# Allegro board SG2042_EVB_V1_1.brd (continued)
## Routing (per net, layer and track width the routed paths; a pad name or vN(x,y) marks a point on that pad's centre or on a via; arc(x,y) is an arc through that point) (continued)
DDR3_MA8: length 58
  TOP w0.114: U1.L2 110.97,123.15 109.81,123.15 108.64,121.97 104.75,121.97 95.11,112.33 94.12,112.33
  TOP w0.16: 94.12,112.33 93.35,112.33 93.19,112.49 93.19,113.21 93.03,113.37 92.63,113.37 92.47,113.21 92.47,111.21 92.31,111.05 91.91,111.05 91.75,111.21 91.75,113.21 91.59,113.37 91.19,113.37 91.03,113.21 91.03,111.21 90.87,111.05 90.47,111.05 90.31,111.21 90.31,113.21 90.15,113.37 89.75,113.37 89.59,113.21 89.59,111.21 89.43,111.05 89.03,111.05 88.87,111.21 88.87,113.21 88.71,113.37 88.31,113.37 88.15,113.21 88.15,112.71 87.99,112.55 87.59,112.55 87.43,112.71 87.43,113.21 87.27,113.37 86.87,113.37 86.71,113.21 86.71,112.71 86.55,112.55 86.15,112.55 85.99,112.71 85.99,113.21 85.83,113.37 85.43,113.37 85.27,113.21 85.27,112.71 85.11,112.55 84.71,112.55 84.55,112.71 84.55,113.21 84.39,113.37 83.99,113.37 83.83,113.21 83.83,112.71 83.67,112.55 83.27,112.55 83.11,112.71 83.11,113.21 82.95,113.37 80.94,113.37 arc(80.63,113.31) 80.37,113.14 79.99,112.76 arc(79.73,112.58) 79.43,112.52 J4.68
DDR3_MA9: length 50.9
  TOP w0.16: U1.K3 v1(111.97,124.15)
  ART05 w0.168: v1(111.97,124.15) 100.63,124.15 93.28,116.79 89.58,116.79 89.42,116.62 89.42,114.95 89.25,114.78 88.83,114.78 88.66,114.95 88.66,116.62 88.49,116.79 88.08,116.79 87.91,116.62 87.91,115.79 87.74,115.62 87.32,115.62 87.15,115.79 87.15,116.62 86.99,116.79 86.57,116.79 86.4,116.62 86.4,115.79 86.23,115.62 85.81,115.62 85.64,115.79 85.64,116.62 85.48,116.79 85.06,116.79 84.89,116.62 84.89,115.79 84.72,115.62 84.3,115.62 84.14,115.79 84.14,116.62 83.97,116.79 83.55,116.79 83.38,116.62 83.38,115.79 83.21,115.62 82.79,115.62 82.63,115.79 82.63,116.62 82.46,116.79 80.97,116.79 arc(80.65,116.73) 80.38,116.54 80,116.17 arc(79.73,115.99) 79.41,115.92 79.23,115.92 arc(78.91,115.86) 78.64,115.68 J4.66
DDR3_MA10: length 59.6
  TOP w0.089: 95.93,110.52 95.93,111.12 105.35,120.54 110.36,120.54 U1.P1
  TOP w0.16: 95.93,110.52 95.78,110.36 95.78,104.42 87.73,96.37 87.33,96.37 87.17,96.53 87.17,98.23 87.01,98.39 86.61,98.39 86.45,98.23 86.45,96.53 86.29,96.37 85.89,96.37 85.73,96.53 85.73,98.23 85.57,98.39 85.17,98.39 85.01,98.23 85.01,96.53 84.85,96.37 84.45,96.37 84.29,96.53 84.29,98.23 84.13,98.39 83.73,98.39 83.57,98.23 83.57,96.53 83.41,96.37 83.01,96.37 82.85,96.53 82.85,98.23 82.69,98.39 82.29,98.39 82.13,98.23 82.13,96.53 81.97,96.37 79.38,96.37 J4.225
DDR3_MA11: length 57
  TOP w0.16: J4.210 92.45,114.22 92.98,114.74 93.2,114.74 94.58,113.36 94.81,113.36 95.09,113.65 95.09,113.87 93.71,115.25 93.71,115.48 93.99,115.76 94.22,115.76 95.6,114.38 95.83,114.38 96.11,114.66 96.11,114.89 94.73,116.27 94.73,116.5 95.01,116.78 95.24,116.78 96.62,115.4 96.85,115.4 97.13,115.68 97.13,115.91 95.75,117.29 95.75,117.52 96.03,117.8 96.26,117.8 97.64,116.42 97.86,116.42 98.15,116.7 98.15,116.93 96.77,118.31 96.77,118.53 97.05,118.82 97.28,118.82 98.66,117.44 98.88,117.44 99.17,117.72 99.17,117.95 97.78,119.33 97.78,119.55 98.07,119.84 98.29,119.84 99.67,118.46 99.9,118.46 100.18,118.74 100.18,118.96 99.72,119.43 99.72,119.66 100,119.94 100.23,119.94 100.69,119.47 100.92,119.47 104.71,123.26 108.24,123.26 108.62,123.65 U1.L1
DDR3_MA12: length 56.8
  TOP w0.16: U1.K1 108.29,124.65 108.13,124.49 108.13,124.06 107.97,123.9 107.57,123.9 107.41,124.06 107.41,124.49 107.25,124.65 106.85,124.65 106.69,124.49 106.69,124.06 106.53,123.9 106.13,123.9 105.97,124.06 105.97,124.49 105.81,124.65 105.16,124.65 104.13,123.62 103.91,123.62 103.16,124.37 102.93,124.37 102.65,124.08 102.65,123.86 103.4,123.11 103.4,122.88 103.12,122.6 102.89,122.6 101.39,124.09 101.17,124.09 100.88,123.81 100.88,123.58 102.38,122.09 102.38,121.86 102.1,121.58 101.87,121.58 100.37,123.08 100.15,123.08 99.87,122.79 99.87,122.57 101.36,121.07 101.36,120.84 101.08,120.56 100.85,120.56 99.36,122.06 99.13,122.06 98.85,121.77 98.85,121.55 99.63,120.76 99.63,120.54 99.35,120.25 99.12,120.25 98.34,121.04 98.11,121.04 92.14,115.07 80.94,115.07 arc(80.63,115.01) 80.37,114.84 79.99,114.46 arc(79.73,114.28) 79.43,114.22 79.04,114.22 arc(78.73,114.28) 78.47,114.46 78.09,114.84 arc(77.83,115.01) 77.53,115.07 J4.65
DDR3_MA13: length 56.5
  TOP w0.16: U1.R3 v1(111.97,120.15)
  ART05 w0.168: v1(111.97,120.15) 100.63,120.15 83.54,103.05 83.54,99.56 83.37,99.39 82.69,99.39 82.52,99.22 82.52,98.8 82.69,98.63 83.37,98.63 83.54,98.47 83.54,98.05 83.37,97.88 82.69,97.88 82.52,97.71 82.52,97.29 82.69,97.13 83.37,97.13 83.54,96.96 83.54,96.54 83.37,96.37 82.69,96.37 82.52,96.2 82.52,95.78 82.69,95.62 83.37,95.62 83.54,95.45 83.54,95.03 83.37,94.86 82.69,94.86 82.52,94.7 82.52,94.28 82.69,94.11 83.37,94.11 83.54,93.94 83.54,92.98 J4.232
DDR3_MA14: length 55.7
  TOP w0.16: U1.M6 v1(114.97,123.15)
  ART10 w0.089: v1(114.97,123.15) 114.6,122.77 111.77,122.77 111.27,123.27 109.71,123.27 107.97,125.01
  ART10 w0.168: 107.97,125.01 100.83,125.01 87.06,111.24 87.06,108.96 86.44,108.34 86.44,98.71 81.55,93.82 J4.228
DDR3_MA15: length 59.9
  TOP w0.16: U1.N6 v1(114.97,122.15)
  ART10 w0.089: 107.97,124.01 109.72,122.25 111.25,122.25 111.76,121.74 114.57,121.74 v1(114.97,122.15)
  ART10 w0.168: 107.97,124.01 101.25,124.01 88.07,110.83 88.07,108.54 87.45,107.92 87.45,98.09 82.07,92.71 81.65,92.71 81.65,92.71 81.37,92.71 81.27,92.81 80.8,92.81 arc(80.48,92.75) 80.21,92.57 80,92.37 arc(79.73,92.19) 79.41,92.12 J4.86
DDR3_MA16: length 58.4
  TOP w0.16: U1.M5 v1(113.97,123.15)
  ART10 w0.089: 107.97,125.52 109.96,123.52 113.6,123.52 v1(113.97,123.15)
  ART10 w0.168: 107.97,125.52 100.62,125.52 86.56,111.45 86.56,109.17 85.94,108.55 85.94,99.07 81.54,94.67 80.96,94.67 arc(80.63,94.74) 80.36,94.92 80,95.28 arc(79.73,95.46) 79.41,95.52 J4.82
DDR3_MA17: length 61.4
  TOP w0.114: 96.42,110.03 96.42,111.08 105.5,120.17 110.95,120.17 U1.R2
  TOP w0.16: J4.234 83.39,91.13 83.39,91.35 82.17,92.57 82.17,92.79 82.46,93.08 82.68,93.08 83.9,91.86 84.12,91.86 84.41,92.14 84.41,92.37 83.19,93.59 83.19,93.81 83.47,94.09 83.7,94.09 84.92,92.88 85.14,92.88 85.42,93.16 85.42,93.39 84.21,94.6 84.21,94.83 84.49,95.11 84.72,95.11 85.93,93.9 86.16,93.9 86.44,94.18 86.44,94.41 85.65,95.2 85.65,95.43 85.93,95.71 86.16,95.71 86.95,94.92 87.18,94.92 96.42,104.16 96.42,110.03
DDR3_ODT0: length 63.2
  TOP w0.16: U1.N7 v1(115.97,122.15)
  ART10 w0.089: 107.97,123.5 109.59,121.88 111.19,121.88 111.52,121.55 115.38,121.55 v1(115.97,122.15)
  ART10 w0.168: J4.87 77.51,91.27 arc(77.83,91.21) 78.1,91.03 78.46,90.67 arc(78.73,90.49) 79.06,90.42 79.41,90.42 arc(79.73,90.49) 80,90.67 80.36,91.03 arc(80.63,91.21) 80.95,91.27 81.41,91.27 87.95,97.81 87.95,107.72 88.57,108.33 88.57,110.62 101.45,123.5 107.97,123.5
DDR3_ODT1: length 63.4
  TOP w0.16: U1.P5 v1(113.97,121.15)
  ART10 w0.089: 107.97,122.5 109.31,121.15 110.93,121.15 111.56,120.52 113.35,120.52 v1(113.97,121.15)
  ART10 w0.168: J4.91 77.51,87.87 arc(77.83,87.81) 78.1,87.63 78.46,87.27 arc(78.73,87.09) 79.06,87.02 79.41,87.02 arc(79.73,87.09) 80,87.27 80.36,87.63 arc(80.63,87.81) 80.95,87.87 81.41,87.87 82.72,89.18 82.72,91.15 88.96,97.39 88.96,107.3 89.58,107.92 89.58,110.2 101.87,122.5 107.97,122.5
DDR3_PAR: length 56.4
  TOP w0.16: U1.L7 v1(115.97,124.15)
  ART10 w0.089: 107.97,127.02 110.25,124.74 115.38,124.74 v1(115.97,124.15)
  ART10 w0.168: 107.97,127.02 100,127.02 85.05,112.08 85.05,109.79 84.43,109.18 84.43,102.37 84.07,102.01 83.83,102.01 83.48,102.37 83.24,102.37 82.94,102.07 82.94,101.83 83.3,101.48 83.3,101.24 83,100.94 82.77,100.94 82.41,101.3 82.17,101.3 81.88,101 81.88,100.77 82.23,100.41 82.23,100.17 J4.222
DDR3_PLL_TESTOUT_N: length 1.4
  TOP w0.16: U1.M8 v1(116.97,123.15)
  BOTTOM w0.109: T32.1 v1(116.97,123.15)
DDR3_PLL_TESTOUT_P: length 1.4
  TOP w0.16: U1.M9 v1(117.97,123.15)
  BOTTOM w0.109: T31.1 v1(117.97,123.15)
DDR3_RESET_N: length 52.6
  TOP w0.16: T27.1 64.95,121.26 arc(65.21,121.08) 65.52,121.02 66.23,121.02 arc(66.53,120.96) 66.79,120.79 67.18,120.41 arc(67.44,120.23) 67.74,120.17 68.13,120.17 arc(68.43,120.23) 68.69,120.41 69.08,120.79 arc(69.33,120.96) 69.64,121.02 70.03,121.02 arc(70.33,121.08) 70.59,121.26 70.98,121.64 arc(71.23,121.81) 71.54,121.87 73.72,121.87 arc(74.03,121.81) 74.29,121.64 74.67,121.26 arc(74.93,121.08) 75.23,121.02 J4.58 79.43,121.02 arc(79.73,120.96) 79.99,120.79 80.37,120.41 arc(80.63,120.23) 80.94,120.17 86.92,120.17 94.6,127.85 109.13,127.85 109.43,128.15 110.97,128.15 U1.F2
DDR3_VDDPLL: length 1
  BOTTOM w0.381: FB20.1 125.38,111.55 v1(125.47,111.65)
DDR3_VDDQCK: length 1
  BOTTOM w0.381: C1460.1 125.37,112.74 FB19.1
  vias: v1(125.47,112.65)
DDR23_VDDQ_1V2: length 472.3
  TOP w0.102: R636.2 234.92,215.93 234.92,219.25 234.72,219.46 v1(234.72,219.48)
  TOP w0.254: U56.2 54.69,112.83 54.1,112.24 C1538.1 54.1,110.95 C3155.1 ; T76.1 v1(47.57,105.51) ; R657.1 53.67,110.06 C3155.1 ; C3155.1 v1(55.09,110.72)
  TOP w0.381: U1.BC10 v1(118.97,91.15) ; U1.AV11 v1(119.97,96.15) ; U1.BE10 v1(118.97,89.15) ; U1.BA12 v1(120.97,93.15) ; U1.R12 v1(120.97,120.15) ; U1.BF9 v1(117.97,88.15) ; U1.BC8 v1(116.97,91.15) ; U1.N8 v1(116.97,122.15) ; U1.W12 v1(120.97,116.15) ; U1.AW10 v1(118.97,95.15) ; U1.AG10 v1(118.97,108.15) ; U1.BA10 v1(118.97,93.15) ; U1.BF5 v1(113.97,88.15) ; U1.AH11 v1(119.97,107.15) ; U1.AE10 v1(118.97,110.15) ; U1.BD4 v1(112.97,90.15) ; U1.AJ10 v1(118.97,105.15) ; U1.AU10 v1(118.97,97.15) ; U1.AB11 v1(119.97,113.15) ; U1.BD7 v1(115.97,90.15) ; U1.AL12 v1(120.97,103.15) ; U1.BG10 v1(118.97,87.15) ; U1.Y11 v1(119.97,115.15) ; U1.AT11 v1(119.97,98.15) ; U1.L12 v1(120.97,124.15) ; U1.BE12 v1(120.97,89.15) ; U1.AF11 v1(119.97,109.15) ; U1.AU12 v1(120.97,97.15) ; U1.BB11 v1(119.97,92.15) ; U1.AD11 v1(119.97,111.15) ; U1.L6 v1(114.97,124.15) ; U1.BD11 v1(119.97,90.15) ; U1.AN12 v1(120.97,101.15) ; U1.AJ12 v1(120.97,105.15) ; U1.L3 v1(112.97,123.15) ; U1.AR12 v1(120.97,99.15) ; U1.AC12 v1(120.97,112.15) ; U1.V9 v1(117.97,117.15) ; U1.AY11 v1(119.97,94.15) ; U1.BC12 v1(120.97,91.15) ; U1.V11 v1(119.97,117.15) ; U1.BG8 v1(116.97,87.15) ; U1.AW6 v1(114.97,95.15) ; U1.AT9 v1(117.97,98.15) ; U1.BH9 v1(117.97,86.15) ; U1.R4 v1(113.97,119.15) ; U1.BF2 v1(110.97,88.15) ; U1.J10 v1(118.97,126.15) ; U1.AC10 v1(118.97,112.15) ; U1.AR10 v1(118.97,99.15) ; U1.U10 v1(118.97,118.15) ; U1.J1 v1(110.04,125.65) ; U1.R7 v1(115.97,119.15) ; U1.P11 v1(119.97,121.15) ; U1.J12 v1(120.97,126.15) ; U1.AU8 v1(116.97,97.15) ; U1.L10 v1(118.97,124.15) ; U1.AV9 v1(117.97,96.15) ; U1.N2 v1(111.97,121.15) ; U1.AE12 v1(120.97,110.15) ; U1.W10 v1(118.97,116.15) ; U1.N12 v1(120.97,122.15) ; U1.AG12 v1(120.97,108.15) ; U1.K11 v1(119.97,125.15) ; U1.T11 v1(119.97,119.15) ; U1.L8 v1(116.97,124.15) ; U1.AL10 v1(118.97,103.15) ; U1.BB6 v1(114.97,92.15) ; U1.AW8 v1(116.97,95.15) ; U1.BE8 v1(116.97,89.15) ; U1.N10 v1(118.97,122.15) ; U1.AN10 v1(118.97,101.15) ; U1.AA10 v1(118.97,114.15) ; U1.U12 v1(120.97,118.15) ; U1.K9 v1(117.97,125.15) ; U1.AA12 v1(120.97,114.15) ; U1.J8 v1(116.97,126.15) ; U1.N5 v1(114.97,121.15) ; U1.R10 v1(118.97,120.15) ; U1.AP11 v1(119.97,100.15) ; U1.K4 v1(112.97,125.15) ; U1.AM11 v1(119.97,102.15) ; U1.AK11 v1(119.97,104.15) ; U1.AW12 v1(120.97,95.15) ; U1.AP9 v1(117.97,100.15) ; U1.M11 v1(119.97,123.15)
  ART03 w0.102: v1(45.9,211.05) 46.74,211.05 48.65,212.95 80.86,212.95 81.47,213.56 86.84,213.56 87.4,213 105,213 106.29,214.3 112.36,214.3 113.66,213 172.79,213 176.55,216.76 200.1,216.76 200.27,216.76 202.18,218.67 212.39,218.67 212.56,218.67 213.75,219.86 234.34,219.86 v1(234.72,219.48)
  ART10 w0.102: v1(48.44,107.24) 43.66,112.01 43.66,179.95 43,180.61 43,207.33 45.9,210.22 v1(45.9,211.05)
  BOTTOM w0.102: R2178.1 50.27,98.7 50.37,98.6 50.37,98.23 47.88,95.74 47.88,95.25 47.37,94.74 47.06,94.74 U63.5
  BOTTOM w0.381: v1(118.97,87.15) C351.2 v1(117.97,88.15) C352.2 v1(116.97,89.15) C349.2 v1(115.97,90.15) C350.2 ; C341.2 v1(118.97,93.15) C343.2 v1(119.97,92.15) C342.2 v1(120.97,91.15) ; v1(116.97,124.15) C288.2 v1(117.97,125.15) C283.2 v1(118.97,126.15) C282.2 ; v1(120.97,120.15) C293.2 v1(119.97,119.15) C297.2 v1(118.97,118.15) C298.2 v1(117.97,117.15) C302.2 ; v1(120.97,124.15) C285.2 v1(119.97,123.15) C290.2 v1(118.97,122.15) C291.2 ; v1(116.97,122.15) C292.2 ; v1(120.97,97.15) C328.2 v1(119.97,98.15) C329.2 v1(118.97,99.15) C326.2 v1(117.97,100.15) C327.2 ; v1(120.97,103.15) C318.2 v1(119.97,104.15) C319.2 v1(118.97,105.15) C317.2 ; C356.2 v1(114.97,124.15) ; C311.2 v1(118.97,110.15) C310.2 v1(119.97,111.15) C306.2 v1(120.97,112.15) ; v1(120.97,93.15) C339.2 v1(119.97,94.15) C340.2 v1(118.97,95.15) C335.2 v1(117.97,96.15) C336.2 v1(116.97,97.15) C332.2 ; C284.2 v1(116.97,126.15) ; v1(120.97,95.15) C333.2 v1(119.97,96.15) C334.2 v1(118.97,97.15) C330.2 v1(117.97,98.15) C331.2 ; v1(120.97,126.15) 120.72,125.89 C281.2 v1(119.97,125.15) C286.2 v1(118.97,124.15) C287.2 ; v1(115.97,119.15) C361.2 ; C362.2 v1(114.97,92.15) ; v1(120.97,122.15) C289.2 v1(119.97,121.15) C294.2 v1(118.97,120.15) C295.2 ; v1(120.97,110.15) C309.2 v1(119.97,109.15) C313.2 ; C312.2 v1(118.97,108.15) ; C344.2 v1(118.97,91.15) C346.2 v1(119.97,90.15) C345.2 v1(120.97,89.15) ; C359.2 v1(114.97,121.15) ; C301.2 v1(118.97,116.15) C300.2 v1(119.97,117.15) C296.2 v1(120.97,118.15) ; FB19.2 v1(123.97,114.15) ; C348.2 v1(116.97,91.15) ; v1(120.97,101.15) C321.2 v1(119.97,102.15) C322.2 v1(118.97,103.15) C320.2 ; v1(120.97,114.15) C303.2 v1(119.97,113.15) C307.2 v1(118.97,112.15) C308.2 ; FB17.2 v1(123.97,106.15) ; C364.2 v1(113.97,88.15) ; C353.2 v1(116.97,87.15) C354.2 v1(117.97,86.15) ; C360.2 v1(113.97,119.15) ; C314.2 v1(120.97,108.15) ; C323.2 v1(118.97,101.15) C325.2 v1(119.97,100.15) C324.2 v1(120.97,99.15) ; C347.2 v1(118.97,89.15) ; C316.2 v1(119.97,107.15) ; C358.2 v1(111.97,121.15) ; C305.2 v1(118.97,114.15) C304.2 v1(119.97,115.15) C299.2 v1(120.97,116.15) ; C338.2 v1(114.97,95.15) ; C355.2 v1(112.97,125.15) ; C357.2 v1(112.97,123.15) ; C337.2 v1(116.97,95.15) ; C363.2 v1(112.97,90.15) ; C315.2 v1(120.97,105.15)
  vias: v1(46.71,107.24) v1(46.71,106.38) v1(46.71,105.51) v1(47.57,107.24) v1(47.57,106.38) v1(48.44,106.38) v1(48.44,105.51)
DDR23_VDDQ_1V2_DIMM: length 317.2
  TOP w0.102: R2177.1 59.36,98.07 59.26,98.17 59.26,99.73 58.71,100.28 57.41,100.28 56.45,101.24 55.94,101.24 U64.5
  TOP w0.254: 74.92,92.97 J4.85 ; J4.85 75.58,93.63 ; J4.85 75.58,92.31 ; J4.85 76.24,92.97 ; J3.88 67.78,91.08 ; J3.88 68.45,90.42 ; J3.88 67.12,90.42 ; J3.88 67.78,89.76 ; 64.19,107.82 C50.1 ; C50.1 63.73,108.28 ; C50.1 64.64,108.28 ; C67.1 73.58,119.71 ; C67.1 73.13,120.17 ; C67.1 74.04,120.17 ; C73.1 74.04,88.72 ; C73.1 73.13,88.72 ; C73.1 73.58,89.18 ; 76.52,87.02 J4.92 ; J4.92 77.84,87.02 ; J4.92 77.18,87.68 ; J4.61 75.58,119.13 ; J4.61 75.58,117.81 ; J4.61 74.92,118.47 ; 79.38,90.61 J4.231 ; J4.231 79.38,91.93 ; J4.231 80.04,91.27 ; J4.231 78.72,91.27 ; 77.18,110.16 J4.70 ; J4.70 77.18,111.48 ; J4.70 76.52,110.82 ; 69.98,107.61 J3.217 ; J3.217 69.98,108.93 ; J3.217 70.65,108.27 ; J3.217 69.32,108.27 ; J3.229 70.65,92.97 ; J3.229 69.98,92.31 ; J3.229 69.32,92.97 ; J3.229 69.98,93.63 ; J3.215 69.98,110.63 ; J3.215 69.32,109.97 ; J3.215 70.65,109.97 ; J3.215 69.98,109.31 ; J4.67 75.58,114.03 ; J4.67 76.24,113.37 ; J4.67 75.58,112.71 ; J4.67 74.92,113.37 ; 67.78,110.16 J3.70 ; J3.70 68.45,110.82 ; J3.70 67.12,110.82 ; J3.70 67.78,111.48 ; C53.1 64.19,89.18 ; C53.1 64.64,88.72 ; C53.1 63.73,88.72 ; 67.78,115.26 J3.64 68.45,115.92 ; 80.98,94.86 J4.226 80.32,95.52 ; C69.1 74.04,113.36 ; C69.1 73.58,113.82 ; C69.1 73.13,113.36 ; 65.52,108.27 J3.73 ; J3.73 66.85,108.27 ; J3.73 66.18,107.61 ; J3.73 66.18,108.93 ; 70.92,87.02 J3.236 ; J3.236 71.58,86.36 ; J3.236 72.25,87.02 ; J3.236 71.58,87.68 ; 67.12,97.22 J3.80 ; J3.80 68.45,97.22 ; J3.80 67.78,96.56 ; J3.80 67.78,97.88 ; 65.52,94.67 J3.83 ; J3.83 66.85,94.67 ; J3.83 66.18,94.01 ; J3.83 66.18,95.33 ; 76.52,97.22 J4.80 ; J4.80 77.18,96.56 ; J4.80 77.84,97.22 ; J4.73 76.24,108.27 ; J4.73 75.58,108.93 ; J4.73 75.58,107.61 ; J4.73 74.92,108.27 ; J4.88 77.84,90.42 ; J4.88 77.18,89.76 ; J4.88 76.52,90.42 ; J4.88 77.18,91.08 ; 74.04,115.09 R2244.2 ; R2244.2 73.58,114.63 ; R2244.2 73.13,115.09 ; 67.12,87.02 J3.92 ; J3.92 67.78,87.68 ; J3.92 68.45,87.02 ; J3.233 70.65,89.57 ; J3.233 69.32,89.57 ; J3.233 69.98,88.91 ; J3.233 69.98,90.23 ; J3.85 66.85,92.97 ; J3.85 66.18,92.31 ; J3.85 65.52,92.97 ; J3.85 66.18,93.63 ; J3.209 70.65,115.07 ; J3.209 69.32,115.07 ; J3.209 69.98,114.41 ; 66.18,112.71 J3.67 ; J3.67 65.52,113.37 ; J3.67 66.85,113.37 ; J3.67 66.18,114.03 ; J3.61 66.85,118.47 ; J3.61 65.52,118.47 ; J3.61 66.18,119.13 ; J3.61 66.18,117.81 ; J4.90 77.18,89.38 ; J4.90 77.84,88.72 ; J4.90 77.18,88.06 ; J4.90 76.52,88.72 ; C51.1 64.64,94.67 ; C51.1 64.19,94.21 ; C51.1 63.73,94.67 ; 71.58,94.86 J3.226 ; J3.226 70.92,95.52 ; J3.226 71.58,96.18 ; J3.226 72.25,95.52 ; 73.58,94.21 C71.1 ; C71.1 73.13,94.67 ; C71.1 74.04,94.67 ; 73.13,108.28 C70.1 ; C70.1 74.04,108.28 ; C70.1 73.58,107.82 ; 79.38,88.91 J4.233 ; J4.233 79.38,90.23 ; J4.233 80.04,89.57 ; J4.233 78.72,89.57 ; 74.92,120.17 J4.59 75.58,119.51 ; J3.204 72.25,119.32 ; J3.204 71.58,119.98 ; J3.204 71.58,118.66 ; J3.204 70.92,119.32 ; 70.92,112.52 J3.212 ; J3.212 72.25,112.52 ; J3.212 71.58,113.18 ; J3.212 71.58,111.86 ; 67.78,88.06 J3.90 ; J3.90 67.78,89.38 ; J3.90 68.45,88.72 ; J3.90 67.12,88.72 ; C72.1 73.58,93.42 ; C72.1 73.13,92.96 ; C72.1 74.04,92.96 ; C52.1 64.19,93.42 ; C52.1 64.64,92.96 ; C52.1 63.73,92.96 ; 73.13,118.44 C68.1 ; C68.1 73.58,118.9 ; C68.1 74.04,118.44 ; 63.73,118.47 C48.1 ; C48.1 64.64,118.47 ; C48.1 64.19,118.92 ; 63.73,115.09 R2243.2 ; R2243.2 64.64,115.09 ; R2243.2 64.19,114.63 ; 78.72,108.27 J4.217 79.38,107.61 ; J4.229 80.04,92.97 ; J4.229 78.72,92.97 ; J4.229 79.38,92.31 ; J4.229 79.38,93.63 ; 70.92,117.62 J3.206 ; J3.206 71.58,116.96 ; J3.206 71.58,118.28 ; J3.206 72.25,117.62 ; 63.73,113.36 C49.1 ; C49.1 64.19,113.82 ; C49.1 64.64,113.36 ; J4.83 76.24,94.67 ; J4.83 74.92,94.67 ; J4.83 75.58,95.33 ; J4.83 75.58,94.01 ; R495.2 v1(62.61,162.66) ; 69.32,91.27 J3.231 ; J3.231 69.98,90.61 ; J3.231 70.65,91.27 ; J3.231 69.98,91.93 ; 66.18,119.51 J3.59 ; J3.59 66.85,120.17 ; J3.59 65.52,120.17 ; J4.236 80.98,87.68 ; J4.236 80.98,86.36 ; J4.236 80.32,87.02 ; C47.1 64.19,119.71 ; C47.1 63.73,120.17 ; C47.1 64.64,120.17 ; R493.2 v1(62.61,164.67)
  PWR07 w0.254: J4.206 81.64,117.62 ; J4.206 80.32,117.62 ; J4.206 80.98,118.28 ; J4.206 80.98,116.96 ; J3.220 72.25,105.72 ; J3.220 71.58,105.06 ; J3.220 70.92,105.72 ; J3.220 71.58,106.38 ; J3.90 68.45,88.72 ; J3.90 67.78,89.38 ; J3.90 67.78,88.06 ; J3.90 67.12,88.72 ; 65.52,118.47 J3.61 ; J3.61 66.18,119.13 ; J3.61 66.18,117.81 ; J3.61 66.85,118.47 ; J4.226 80.98,96.18 ; J4.226 80.32,95.52 ; J4.226 81.64,95.52 ; J4.226 80.98,94.86 ; 69.98,109.31 J3.215 ; J3.215 69.98,110.63 ; J3.215 70.65,109.97 ; J3.215 69.32,109.97 ; 75.58,94.01 J4.83 ; J4.83 74.92,94.67 ; J4.83 75.58,95.33 ; J4.83 76.24,94.67 ; 69.32,92.97 J3.229 ; J3.229 69.98,92.31 ; J3.229 69.98,93.63 ; J3.229 70.65,92.97 ; 74.92,120.17 J4.59 ; J4.59 75.58,120.83 ; J4.59 76.24,120.17 ; J4.59 75.58,119.51 ; J3.73 66.85,108.27 ; J3.73 66.18,108.93 ; J3.73 65.52,108.27 ; J3.73 66.18,107.61 ; J3.226 72.25,95.52 ; J3.226 70.92,95.52 ; J3.226 71.58,96.18 ; J3.226 71.58,94.86 ; J4.80 77.84,97.22 ; J4.80 77.18,97.88 ; J4.80 77.18,96.56 ; J4.80 76.52,97.22 ; 70.92,119.32 J3.204 ; J3.204 71.58,119.98 ; J3.204 71.58,118.66 ; J3.204 72.25,119.32 ; 79.38,109.31 J4.215 ; J4.215 80.04,109.97 ; J4.215 78.72,109.97 ; J4.215 79.38,110.63 ; J3.212 72.25,112.52 ; J3.212 71.58,113.18 ; J3.212 70.92,112.52 ; J3.212 71.58,111.86 ; J4.217 80.04,108.27 ; J4.217 79.38,107.61 ; J4.217 79.38,108.93 ; J4.217 78.72,108.27 ; 80.32,112.52 J4.212 ; J4.212 81.64,112.52 ; J4.212 80.98,111.86 ; J4.212 80.98,113.18 ; 67.12,115.92 J3.64 ; J3.64 67.78,115.26 ; J3.64 67.78,116.58 ; J3.64 68.45,115.92 ; J4.61 75.58,119.13 ; J4.61 76.24,118.47 ; J4.61 75.58,117.81 ; J4.61 74.92,118.47 ; 67.78,89.76 J3.88 ; J3.88 67.12,90.42 ; J3.88 68.45,90.42 ; J3.88 67.78,91.08 ; J3.85 66.85,92.97 ; J3.85 65.52,92.97 ; J3.85 66.18,92.31 ; J3.85 66.18,93.63 ; J3.83 66.85,94.67 ; J3.83 66.18,95.33 ; J3.83 66.18,94.01 ; J3.83 65.52,94.67 ; 79.38,92.31 J4.229 ; J4.229 80.04,92.97 ; J4.229 78.72,92.97 ; J4.229 79.38,93.63 ; 78.72,91.27 J4.231 ; J4.231 80.04,91.27 ; J4.231 79.38,90.61 ; J4.231 79.38,91.93 ; 71.58,86.36 J3.236 ; J3.236 72.25,87.02 ; J3.236 71.58,87.68 ; J3.236 70.92,87.02 ; 77.18,88.06 J4.90 ; J4.90 76.52,88.72 ; J4.90 77.18,89.38 ; J4.90 77.84,88.72 ; 67.78,110.16 J3.70 ; J3.70 67.12,110.82 ; J3.70 67.78,111.48 ; J3.70 68.45,110.82 ; J4.236 80.98,87.68 ; J4.236 80.98,86.36 ; J4.236 80.32,87.02 ; J4.236 81.64,87.02 ; 79.38,97.41 J4.223 ; J4.223 79.38,98.73 ; J4.223 78.72,98.07 ; J3.76 68.45,105.72 ; J3.76 67.78,106.38 ; J3.76 67.78,105.06 ; J3.76 67.12,105.72 ; J3.59 66.18,120.83 ; J3.59 66.85,120.17 ; J3.59 66.18,119.51 ; J3.59 65.52,120.17 ; J4.85 76.24,92.97 ; J4.85 75.58,93.63 ; J4.85 74.92,92.97 ; J4.85 75.58,92.31 ; 66.18,112.71 J3.67 ; J3.67 66.85,113.37 ; J3.67 66.18,114.03 ; J3.67 65.52,113.37 ; 75.58,112.71 J4.67 ; J4.67 76.24,113.37 ; J4.67 74.92,113.37 ; J4.67 75.58,114.03 ; J4.73 76.24,108.27 ; J4.73 75.58,108.93 ; J4.73 74.92,108.27 ; J4.73 75.58,107.61 ; J4.76 77.84,105.72 ; J4.76 77.18,105.06 ; J4.76 77.18,106.38 ; J4.76 76.52,105.72 ; J3.209 69.98,115.73 ; J3.209 69.98,114.41 ; J3.209 70.65,115.07 ; J3.209 69.32,115.07 ; J3.223 69.98,98.73 ; J3.223 69.98,97.41 ; J3.223 70.65,98.07 ; J3.223 69.32,98.07 ; J3.92 67.78,87.68 ; J3.92 67.12,87.02 ; J3.92 68.45,87.02 ; J3.92 67.78,86.36 ; 69.32,89.57 J3.233 ; J3.233 69.98,90.23 ; J3.233 69.98,88.91 ; J3.233 70.65,89.57 ; J3.206 72.25,117.62 ; J3.206 71.58,116.96 ; J3.206 70.92,117.62 ; J3.206 71.58,118.28 ; 76.52,110.82 J4.70 ; J4.70 77.18,111.48 ; J4.70 77.84,110.82 ; J4.70 77.18,110.16 ; 69.32,91.27 J3.231 ; J3.231 70.65,91.27 ; J3.231 69.98,90.61 ; J3.231 69.98,91.93 ; J4.220 81.64,105.72 ; J4.220 80.98,105.06 ; J4.220 80.32,105.72 ; J4.220 80.98,106.38 ; J3.217 70.65,108.27 ; J3.217 69.98,107.61 ; J3.217 69.32,108.27 ; J3.217 69.98,108.93 ; 76.52,115.92 J4.64 ; J4.64 77.18,115.26 ; J4.64 77.84,115.92 ; J4.64 77.18,116.58 ; J3.80 67.78,97.88 ; J3.80 68.45,97.22 ; J3.80 67.12,97.22 ; J3.80 67.78,96.56 ; J4.209 79.38,115.73 ; J4.209 80.04,115.07 ; J4.209 78.72,115.07 ; J4.209 79.38,114.41 ; 76.52,87.02 J4.92 ; J4.92 77.18,87.68 ; J4.92 77.84,87.02 ; J4.92 77.18,86.36 ; J4.204 81.64,119.32 ; J4.204 80.32,119.32 ; J4.204 80.98,118.66 ; J4.204 80.98,119.98 ; 77.18,89.76 J4.88 ; J4.88 77.84,90.42 ; J4.88 77.18,91.08 ; J4.88 76.52,90.42 ; J4.233 80.04,89.57 ; J4.233 78.72,89.57 ; J4.233 79.38,88.91 ; J4.233 79.38,90.23
  ART10 w0.254: v1(62.61,164.67) v1(62.61,162.66) 63.47,161.8 63.47,122.35 62.79,121.67 v1(62.79,111.58)
  vias: v1(61.04,95.73) v1(61.04,94.87) v1(61.06,111.58) v1(61.06,110.72) v1(61.93,111.58) v1(61.93,110.72) v1(61.9,95.73) v1(61.9,94.87) v1(62.79,110.72) v1(62.76,95.73) v1(62.76,94.87)
DDR23_VDDQ_1V2_H: length 39.3
  TOP w0.102: R2177.2 58.95,98.07 59.05,98.17 59.05,99.64 58.62,100.08 57.33,100.08 56.5,100.9 55.94,100.9 U64.4
  ART03 w0.254: v1(56.62,94.84) 59.56,91.9 59.56,80.52 60.88,79.2 60.88,75.39 v1(60.17,74.68)
  BOTTOM w0.102: U63.4 47.06,94.4 47.32,94.4 48.08,95.16 48.08,95.66 50.57,98.15 50.57,98.6 50.67,98.7 R2178.2
  BOTTOM w0.254: R652.1 v1(60.17,74.68)
  vias: v1(54.79,95.76) v1(54.79,94.84) v1(55.7,95.76) v1(55.7,94.84) v1(56.62,95.76)
DDR23_VPP_2V5: length 253.4
  TOP w0.102: R662.2 57.1,47.9 57,48.01 52.88,48.01 52.27,48.62 52.27,48.91 U59.5
  TOP w0.254: 63.88,38.84 C61.1 ; C61.1 64.34,39.29 ; C61.1 64.8,38.84 ; 80.32,44.52 J4.286 ; J4.286 80.98,45.18 ; J4.286 80.98,43.86 ; J4.286 81.64,44.52 ; 80.98,42.16 J4.288 ; J4.288 81.64,42.82 ; J4.288 80.98,43.48 ; J4.288 80.32,42.82 ; 79.38,43.01 J4.287 ; J4.287 80.04,43.67 ; J4.287 79.38,44.33 ; J4.287 78.72,43.67 ; 69.32,43.67 J3.287 ; J3.287 69.98,43.01 ; J3.287 70.65,43.67 ; 74.92,43.67 J4.143 ; J4.143 76.24,43.67 ; J4.143 75.58,44.33 ; J4.143 75.58,43.01 ; 67.78,43.86 J3.142 ; J3.142 67.12,44.52 ; J3.142 68.45,44.52 ; R667.2 62.31,64.85 C1547.2 v1(62.94,64.82) ; 73.13,40.11 C42.1 ; C42.1 73.58,39.65 ; C42.1 74.04,40.11 ; J3.286 72.25,44.52 ; J3.286 70.92,44.52 ; J3.286 71.58,43.86 ; C62.1 64.34,41.25 ; C62.1 64.8,40.79 ; C62.1 63.88,40.79 ; C43.1 73.58,43.1 ; C43.1 73.13,42.65 ; C43.1 74.04,42.65 ; 64.8,44.7 C64.1 63.88,44.7 ; 74.04,44.7 C44.1 73.13,44.7 ; J3.288 71.58,43.48 ; J3.288 71.58,42.16 ; J3.288 72.25,42.82 ; J3.288 70.92,42.82 ; C41.1 74.04,38.84 ; C41.1 73.58,39.29 ; C41.1 73.13,38.84 ; C63.1 64.34,43.21 ; C63.1 64.8,42.75 ; C63.1 63.88,42.75 ; 60.93,46.71 62.43,46.71 62.97,46.18 R11.2 ; R13.2 R9.2 63.55,98.35 v1(63.53,98.32) ; 60.91,47.32 60.91,49.25 61.44,49.78 R16.2 R15.2 ; J4.142 77.84,44.52 ; J4.142 76.52,44.52 ; J4.142 77.18,43.86 ; J3.143 66.85,43.67 ; J3.143 66.18,43.01 ; J3.143 65.52,43.67
  ART03 w0.254: J3.288 71.58,43.48 ; J3.288 72.25,42.82 ; J3.288 70.92,42.82 ; J3.287 69.98,44.33 ; J3.287 69.98,43.01 ; J3.287 69.32,43.67 ; J3.287 70.65,43.67 ; 78.72,43.67 J4.287 ; J4.287 80.04,43.67 ; J4.287 79.38,43.01 ; J4.287 79.38,44.33 ; J3.143 66.85,43.67 ; J3.143 65.52,43.67 ; J3.143 66.18,44.33 ; J3.143 66.18,43.01 ; 70.92,44.52 J3.286 ; J3.286 71.58,45.18 ; J3.286 72.25,44.52 ; J3.286 71.58,43.86 ; J3.142 68.45,44.52 ; J3.142 67.78,45.18 ; J3.142 67.12,44.52 ; J3.142 67.78,43.86 ; J4.143 75.58,44.33 ; J4.143 76.24,43.67 ; J4.143 75.58,43.01 ; J4.143 74.92,43.67 ; J4.142 77.18,45.18 ; J4.142 76.52,44.52 ; J4.142 77.18,43.86 ; J4.142 77.84,44.52 ; 80.98,45.56 J4.284 80.32,46.22 ; 80.32,44.52 J4.286 ; J4.286 80.98,43.86 ; J4.286 80.98,45.18 ; 80.32,42.82 J4.288 80.98,43.48 ; J3.284 72.25,46.22 ; J3.284 71.58,45.56 ; J3.284 70.92,46.22